# KiCad board EOutside.kicad_pcb (continued)
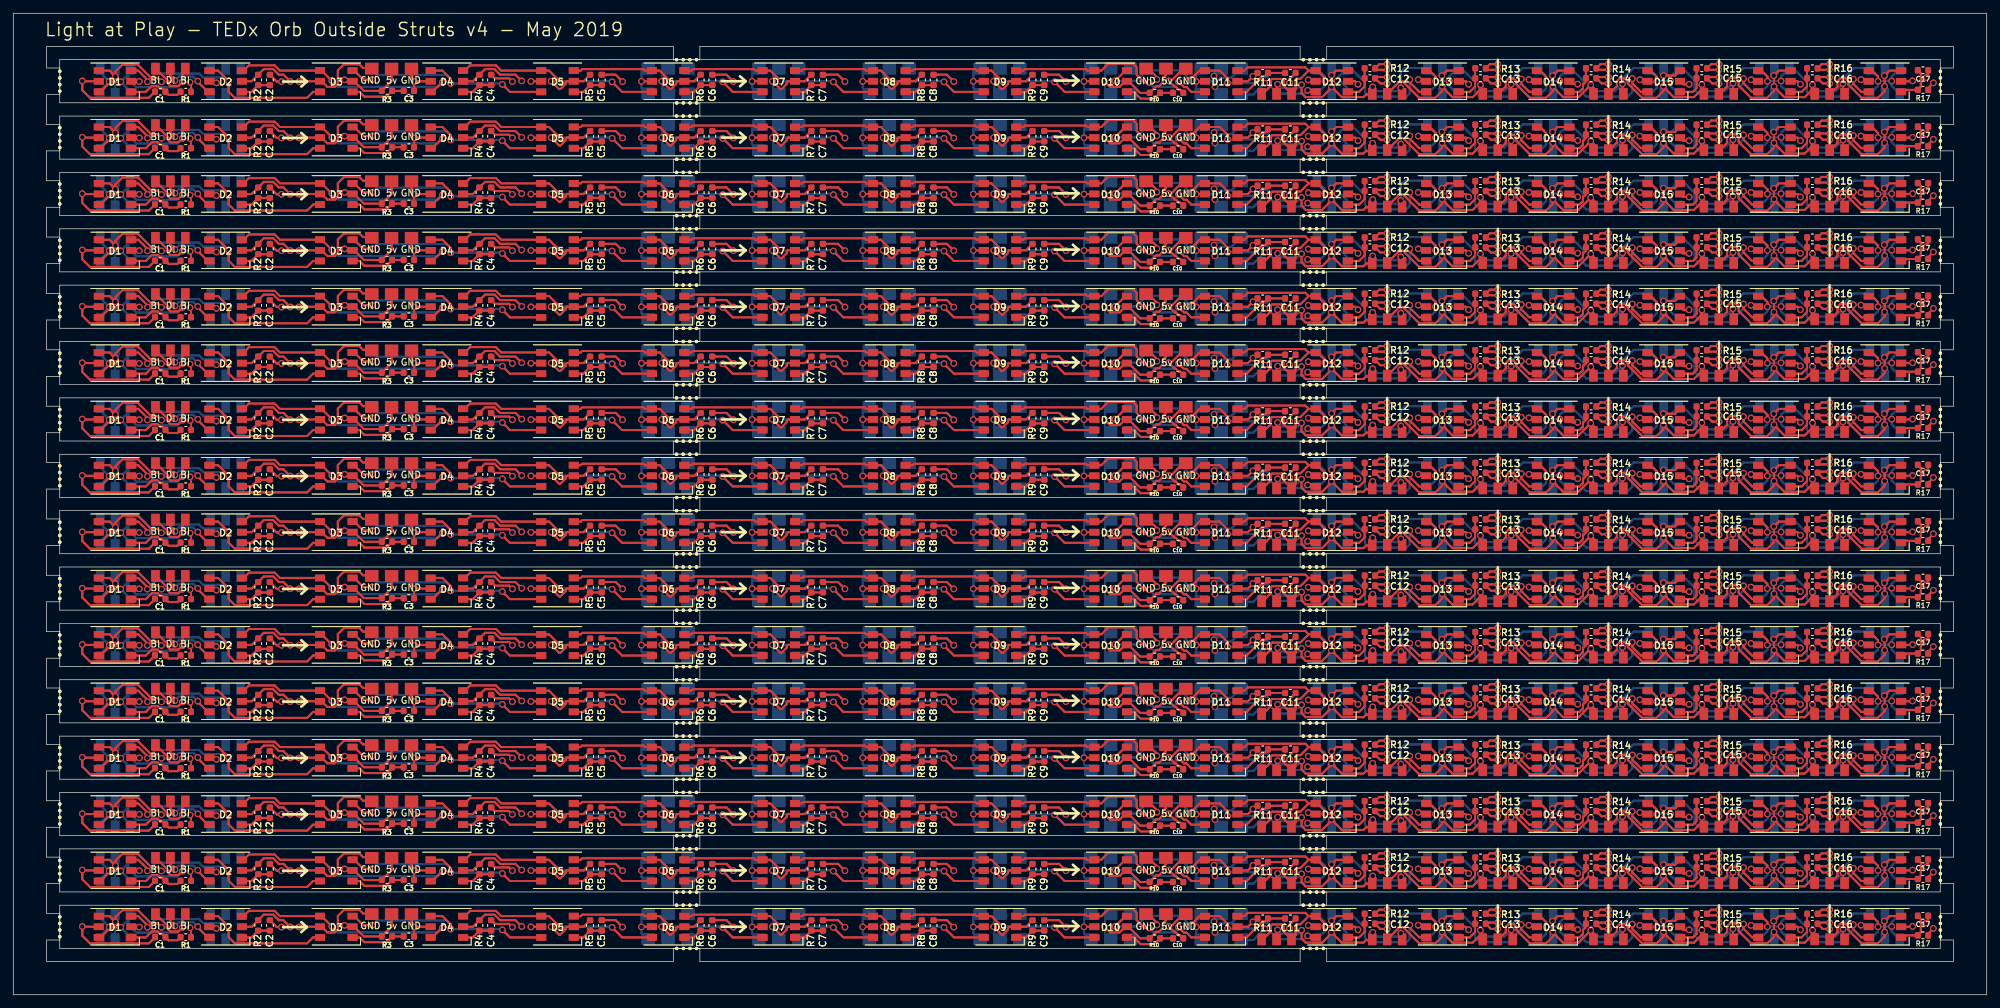
[diagram p0: board, top side]
## Routing (per net, layer and track width the routed paths; a pad name or vN(x,y) marks a point on that pad's centre or on a via; arc(x,y) is an arc through that point) (continued)
Net-(D11-Pad3): length 1831.5
  Top w0.3: 195.17,130.85 D12#2.4 ; 195.17,130.85 193.94,129.63 ; 195.17,130.85 194.67,131.35 ; 195.17,130.85 193.94,129.63 ; 195.17,130.85 D12#2.4 ; 195.17,130.85 194.67,131.35 ; D12#2.4 196.47,130.85 ; D12#2.4 196.47,130.85 ; 192.58,127.38 192.58,127.25 192.58,127.38 ; 192.58,127.38 193.2,127.99 ; 192.58,127.38 191.4,128.56 ; 192.58,127.38 193.2,127.99 ; 192.58,127.38 191.4,128.56 ; 193.94,129.63 193.36,129.63 ; 193.94,129.63 193.36,129.63 ; 193.36,129.63 193.2,129.46 ; 193.36,129.63 193.2,129.46 ; 193.2,127.99 193.2,129.46 ; 193.2,127.99 193.2,129.46 ; 196.47,130.85 197.62,129.7 ; 196.47,130.85 197.62,129.7 ; 197.62,129.7 v1(197.62,129.3) ; 197.62,129.7 v1(197.62,129.3) ; v1(197.62,129.3) 199.45,129.3 ; v1(197.62,129.3) 199.45,129.3 ; 188.17,127.25 188.08,127.25 188.17,127.25 ; 188.17,127.25 189.44,128.52 ; 188.17,127.25 189.44,128.52 ; 189.67,129.6 189.44,129.37 ; 189.67,129.6 191.13,129.6 ; 189.67,129.6 191.13,129.6 ; 189.67,129.6 189.44,129.37 ; 189.44,129.37 189.44,128.52 ; 189.44,129.37 189.44,128.52 ; 191.4,129.33 191.13,129.6 ; 191.4,129.33 191.4,128.56 ; 191.4,129.33 191.4,128.56 ; 191.4,129.33 191.13,129.6 ; 186,131.35 194.67,131.35 ; 186,131.35 185.5,130.85 ; 186,131.35 185.5,130.85 ; 186,131.35 194.67,131.35 ; 185.5,130.85 D11#2.3 185.5,130.85 ; 199.45,129.3 v1(199.45,129.3) 199.45,129.3 ; 210.4,129.08 v1(210.4,129.5) 210.4,129.08 ; 210.4,129.08 211.83,127.65 ; 210.4,129.08 211.83,127.65 ; 211.83,127.65 D13#2.6 211.83,127.65 ; 195.17,122.35 D12#3.4 ; 195.17,122.35 193.94,121.13 ; 195.17,122.35 194.67,122.85 ; 195.17,122.35 D12#3.4 ; 195.17,122.35 193.94,121.13 ; 195.17,122.35 194.67,122.85 ; D12#3.4 196.47,122.35 ; D12#3.4 196.47,122.35 ; 192.58,118.88 192.58,118.75 192.58,118.88 ; 192.58,118.88 193.2,119.49 ; 192.58,118.88 191.4,120.06 ; 192.58,118.88 193.2,119.49 ; 192.58,118.88 191.4,120.06 ; 193.94,121.13 193.36,121.13 ; 193.94,121.13 193.36,121.13 ; 193.36,121.13 193.2,120.96 ; 193.36,121.13 193.2,120.96 ; 193.2,119.49 193.2,120.96 ; 193.2,119.49 193.2,120.96 ; 196.47,122.35 197.62,121.2 ; 196.47,122.35 197.62,121.2 ; 197.62,121.2 v1(197.62,120.8) ; 197.62,121.2 v1(197.62,120.8) ; v1(197.62,120.8) 199.45,120.8 ; v1(197.62,120.8) 199.45,120.8 ; 188.17,118.75 188.08,118.75 188.17,118.75 ; 188.17,118.75 189.44,120.02 ; 188.17,118.75 189.44,120.02 ; 189.67,121.1 189.44,120.87 ; 189.67,121.1 191.13,121.1 ; 189.67,121.1 189.44,120.87 ; 189.67,121.1 191.13,121.1 ; 189.44,120.87 189.44,120.02 ; 189.44,120.87 189.44,120.02 ; 191.4,120.83 191.13,121.1 ; 191.4,120.83 191.4,120.06 ; 191.4,120.83 191.13,121.1 ; 191.4,120.83 191.4,120.06 ; 186,122.85 194.67,122.85 ; 186,122.85 185.5,122.35 ; 186,122.85 194.67,122.85 ; 186,122.85 185.5,122.35 ; 185.5,122.35 D11#3.3 185.5,122.35 ; 199.45,120.8 v1(199.45,120.8) 199.45,120.8 ; 210.4,120.58 v1(210.4,121) 210.4,120.58 ; 210.4,120.58 211.83,119.15 ; 210.4,120.58 211.83,119.15 ; 211.83,119.15 D13#3.6 211.83,119.15 ; 196.47,113.85 197.62,112.7 ; 196.47,113.85 D12#4.4 ; 196.47,113.85 D12#4.4 ; 196.47,113.85 197.62,112.7 ; 197.62,112.7 v1(197.62,112.3) ; 197.62,112.7 v1(197.62,112.3) ; 195.17,113.85 193.94,112.63 ; 195.17,113.85 D12#4.4 ; 195.17,113.85 194.67,114.35 ; 195.17,113.85 D12#4.4 ; 195.17,113.85 194.67,114.35 ; 195.17,113.85 193.94,112.63 ; 193.94,112.63 193.36,112.63 ; 193.94,112.63 193.36,112.63 ; 193.2,112.46 193.2,110.99 ; 193.2,112.46 193.36,112.63 ; 193.2,112.46 193.2,110.99 ; 193.2,112.46 193.36,112.63 ; 193.2,110.99 192.58,110.38 ; 193.2,110.99 192.58,110.38 ; 192.58,110.38 192.58,110.25 192.58,110.38 ; 192.58,110.38 191.4,111.56 ; 192.58,110.38 191.4,111.56 ; 185.5,113.85 D11#4.3 185.5,113.85 ; 185.5,113.85 186,114.35 ; 185.5,113.85 186,114.35 ; 186,114.35 194.67,114.35 ; 186,114.35 194.67,114.35 ; 191.13,112.6 189.67,112.6 ; 191.13,112.6 191.4,112.33 ; 191.13,112.6 189.67,112.6 ; 191.13,112.6 191.4,112.33 ; 189.67,112.6 189.44,112.37 ; 189.67,112.6 189.44,112.37 ; 189.44,111.52 188.17,110.25 ; 189.44,111.52 189.44,112.37 ; 189.44,111.52 188.17,110.25 ; 189.44,111.52 189.44,112.37 ; 188.17,110.25 188.08,110.25 188.17,110.25 ; 191.4,111.56 191.4,112.33 ; 191.4,111.56 191.4,112.33 ; v1(197.62,112.3) 199.45,112.3 ; v1(197.62,112.3) 199.45,112.3 ; 210.4,112.08 v1(210.4,112.5) 210.4,112.08 ; 210.4,112.08 211.83,110.65 ; 210.4,112.08 211.83,110.65 ; 199.45,112.3 v1(199.45,112.3) 199.45,112.3 ; 211.83,110.65 D13#4.6 211.83,110.65 ; 195.17,139.35 D12.4 ; 195.17,139.35 193.94,138.13 ; 195.17,139.35 194.67,139.85 ; 195.17,139.35 194.67,139.85 ; 195.17,139.35 D12.4 ; 195.17,139.35 193.94,138.13 ; D12.4 196.47,139.35 ; D12.4 196.47,139.35 ; 192.58,135.88 192.58,135.75 192.58,135.88 ; 192.58,135.88 193.2,136.49 ; 192.58,135.88 191.4,137.06 ; 192.58,135.88 193.2,136.49 ; 192.58,135.88 191.4,137.06 ; 193.94,138.13 193.36,138.13 ; 193.94,138.13 193.36,138.13 ; 193.36,138.13 193.2,137.96 ; 193.36,138.13 193.2,137.96 ; 193.2,136.49 193.2,137.96 ; 193.2,136.49 193.2,137.96 ; 196.47,139.35 197.62,138.2 ; 196.47,139.35 197.62,138.2 ; 197.62,138.2 v1(197.62,137.8) ; 197.62,138.2 v1(197.62,137.8) ; v1(197.62,137.8) 199.45,137.8 ; v1(197.62,137.8) 199.45,137.8 ; 188.17,135.75 188.08,135.75 188.17,135.75 ; 188.17,135.75 189.44,137.02 ; 188.17,135.75 189.44,137.02 ; 189.67,138.1 189.44,137.87 ; 189.67,138.1 191.13,138.1 ; 189.67,138.1 191.13,138.1 ; 189.67,138.1 189.44,137.87 ; 189.44,137.87 189.44,137.02 ; 189.44,137.87 189.44,137.02 ; 191.4,137.83 191.13,138.1 ; 191.4,137.83 191.4,137.06 ; 191.4,137.83 191.4,137.06 ; 191.4,137.83 191.13,138.1 ; 186,139.85 194.67,139.85 ; 186,139.85 185.5,139.35 ; 186,139.85 185.5,139.35 ; 186,139.85 194.67,139.85 ; 185.5,139.35 D11.3 185.5,139.35 ; 199.45,137.8 v1(199.45,137.8) 199.45,137.8 ; 210.4,137.58 v1(210.4,138) 210.4,137.58 ; 210.4,137.58 211.83,136.15 ; 210.4,137.58 211.83,136.15 ; 211.83,136.15 D13.6 211.83,136.15 ; 195.17,105.35 D12#11.4 ; 195.17,105.35 193.94,104.13 ; 195.17,105.35 194.67,105.85 ; 195.17,105.35 D12#11.4 ; 195.17,105.35 193.94,104.13 ; 195.17,105.35 194.67,105.85 ; D12#11.4 196.47,105.35 ; D12#11.4 196.47,105.35 ; 192.58,101.88 192.58,101.75 192.58,101.88 ; 192.58,101.88 193.2,102.49 ; 192.58,101.88 191.4,103.06 ; 192.58,101.88 193.2,102.49 ; 192.58,101.88 191.4,103.06 ; 193.94,104.13 193.36,104.13 ; 193.94,104.13 193.36,104.13 ; 193.36,104.13 193.2,103.96 ; 193.36,104.13 193.2,103.96 ; 193.2,102.49 193.2,103.96 ; 193.2,102.49 193.2,103.96 ; 196.47,105.35 197.62,104.2 ; 196.47,105.35 197.62,104.2 ; 197.62,104.2 v1(197.62,103.8) ; 197.62,104.2 v1(197.62,103.8) ; v1(197.62,103.8) 199.45,103.8 ; v1(197.62,103.8) 199.45,103.8 ; 188.17,101.75 188.08,101.75 188.17,101.75 ; 188.17,101.75 189.44,103.02 ; 188.17,101.75 189.44,103.02 ; 189.67,104.1 189.44,103.87 ; 189.67,104.1 191.13,104.1 ; 189.67,104.1 189.44,103.87 ; 189.67,104.1 191.13,104.1 ; 189.44,103.87 189.44,103.02 ; 189.44,103.87 189.44,103.02 ; 191.4,103.83 191.13,104.1 ; 191.4,103.83 191.4,103.06 ; 191.4,103.83 191.13,104.1 ; 191.4,103.83 191.4,103.06 ; 186,105.85 194.67,105.85 ; 186,105.85 185.5,105.35 ; 186,105.85 194.67,105.85 ; 186,105.85 185.5,105.35 ; 185.5,105.35 D11#11.3 185.5,105.35 ; 199.45,103.8 v1(199.45,103.8) 199.45,103.8 ; 210.4,103.58 v1(210.4,104) 210.4,103.58 ; 210.4,103.58 211.83,102.15 ; 210.4,103.58 211.83,102.15 ; 211.83,102.15 D13#11.6 211.83,102.15 ; 196.47,96.85 197.62,95.7 ; 196.47,96.85 D12#15.4 ; 196.47,96.85 D12#15.4 ; 196.47,96.85 197.62,95.7 ; 197.62,95.7 v1(197.62,95.3) ; 197.62,95.7 v1(197.62,95.3) ; 195.17,96.85 193.94,95.63 ; 195.17,96.85 D12#15.4 ; 195.17,96.85 194.67,97.35 ; 195.17,96.85 194.67,97.35 ; 195.17,96.85 193.94,95.63 ; 195.17,96.85 D12#15.4 ; 193.94,95.63 193.36,95.63 ; 193.94,95.63 193.36,95.63 ; 193.2,95.46 193.2,93.99 ; 193.2,95.46 193.36,95.63 ; 193.2,95.46 193.2,93.99 ; 193.2,95.46 193.36,95.63 ; 193.2,93.99 192.58,93.38 ; 193.2,93.99 192.58,93.38 ; 192.58,93.38 192.58,93.25 192.58,93.38 ; 192.58,93.38 191.4,94.56 ; 192.58,93.38 191.4,94.56 ; 185.5,96.85 D11#15.3 185.5,96.85 ; 185.5,96.85 186,97.35 ; 185.5,96.85 186,97.35 ; 186,97.35 194.67,97.35 ; 186,97.35 194.67,97.35 ; 191.13,95.6 189.67,95.6 ; 191.13,95.6 191.4,95.33 ; 191.13,95.6 189.67,95.6 ; 191.13,95.6 191.4,95.33 ; 189.67,95.6 189.44,95.37 ; 189.67,95.6 189.44,95.37 ; 189.44,94.52 188.17,93.25 ; 189.44,94.52 189.44,95.37 ; 189.44,94.52 188.17,93.25 ; 189.44,94.52 189.44,95.37 ; 188.17,93.25 188.08,93.25 188.17,93.25 ; 191.4,94.56 191.4,95.33 ; 191.4,94.56 191.4,95.33 ; v1(197.62,95.3) 199.45,95.3 ; v1(197.62,95.3) 199.45,95.3 ; 210.4,95.08 v1(210.4,95.5) 210.4,95.08 ; 210.4,95.08 211.83,93.65 ; 210.4,95.08 211.83,93.65 ; 199.45,95.3 v1(199.45,95.3) 199.45,95.3 ; 211.83,93.65 D13#14.6 211.83,93.65 ; 192.58,76.38 192.58,76.25 192.58,76.38 ; 192.58,76.38 191.4,77.56 ; 192.58,76.38 193.2,76.99 ; 192.58,76.38 193.2,76.99 ; 192.58,76.38 191.4,77.56 ; 195.17,79.85 D12#13.4 ; 195.17,79.85 194.67,80.35 ; 195.17,79.85 193.94,78.63 ; 195.17,79.85 193.94,78.63 ; 195.17,79.85 194.67,80.35 ; 195.17,79.85 D12#13.4 ; D12#13.4 196.47,79.85 ; D12#13.4 196.47,79.85 ; 185.5,79.85 D11#13.3 185.5,79.85 ; 185.5,79.85 186,80.35 ; 185.5,79.85 186,80.35 ; 186,80.35 194.67,80.35 ; 186,80.35 194.67,80.35 ; 191.13,78.6 189.67,78.6 ; 191.13,78.6 191.4,78.33 ; 191.13,78.6 189.67,78.6 ; 191.13,78.6 191.4,78.33 ; 189.67,78.6 189.44,78.37 ; 189.67,78.6 189.44,78.37 ; 189.44,77.52 188.17,76.25 ; 189.44,77.52 189.44,78.37 ; 189.44,77.52 188.17,76.25 ; 189.44,77.52 189.44,78.37 ; 188.17,76.25 188.08,76.25 188.17,76.25 ; 191.4,77.56 191.4,78.33 ; 191.4,77.56 191.4,78.33 ; 196.47,79.85 197.62,78.7 ; 196.47,79.85 197.62,78.7 ; 197.62,78.7 v1(197.62,78.3) ; 197.62,78.7 v1(197.62,78.3) ; v1(197.62,78.3) 199.45,78.3 ; v1(197.62,78.3) 199.45,78.3 ; 210.4,78.08 v1(210.4,78.5) 210.4,78.08 ; 210.4,78.08 211.83,76.65 ; 210.4,78.08 211.83,76.65 ; 199.45,78.3 v1(199.45,78.3) 199.45,78.3 ; 211.83,76.65 D13#9.6 211.83,76.65 ; 193.94,78.63 193.36,78.63 ; 193.94,78.63 193.36,78.63 ; 193.2,78.46 193.2,76.99 ; 193.2,78.46 193.36,78.63 ; 193.2,78.46 193.2,76.99 ; 193.2,78.46 193.36,78.63 ; 210.4,86.58 v1(210.4,87) 210.4,86.58 ; 210.4,86.58 211.83,85.15 ; 210.4,86.58 211.83,85.15 ; 211.83,85.15 D13#10.6 211.83,85.15 ; 195.17,88.35 D12#9.4 ; 195.17,88.35 193.94,87.13 ; 195.17,88.35 194.67,88.85 ; 195.17,88.35 D12#9.4 ; 195.17,88.35 193.94,87.13 ; 195.17,88.35 194.67,88.85 ; D12#9.4 196.47,88.35 ; D12#9.4 196.47,88.35 ; 192.58,84.88 192.58,84.75 192.58,84.88 ; 192.58,84.88 193.2,85.49 ; 192.58,84.88 191.4,86.06 ; 192.58,84.88 193.2,85.49 ; 192.58,84.88 191.4,86.06 ; 193.94,87.13 193.36,87.13 ; 193.94,87.13 193.36,87.13 ; 193.36,87.13 193.2,86.96 ; 193.36,87.13 193.2,86.96 ; 193.2,85.49 193.2,86.96 ; 193.2,85.49 193.2,86.96 ; 196.47,88.35 197.62,87.2 ; 196.47,88.35 197.62,87.2 ; 197.62,87.2 v1(197.62,86.8) ; 197.62,87.2 v1(197.62,86.8) ; v1(197.62,86.8) 199.45,86.8 ; v1(197.62,86.8) 199.45,86.8 ; 188.17,84.75 188.08,84.75 188.17,84.75 ; 188.17,84.75 189.44,86.02 ; 188.17,84.75 189.44,86.02 ; 189.67,87.1 189.44,86.87 ; 189.67,87.1 191.13,87.1 ; 189.67,87.1 189.44,86.87 ; 189.67,87.1 191.13,87.1 ; 189.44,86.87 189.44,86.02 ; 189.44,86.87 189.44,86.02 ; 191.4,86.83 191.13,87.1 ; 191.4,86.83 191.4,86.06 ; 191.4,86.83 191.13,87.1 ; 191.4,86.83 191.4,86.06 ; 186,88.85 194.67,88.85 ; 186,88.85 185.5,88.35 ; 186,88.85 194.67,88.85 ; 186,88.85 185.5,88.35 ; 185.5,88.35 D11#9.3 185.5,88.35 ; 199.45,86.8 v1(199.45,86.8) 199.45,86.8 ; 195.17,71.35 D12#17.4 ; 195.17,71.35 193.94,70.13 ; 195.17,71.35 194.67,71.85 ; 195.17,71.35 D12#17.4 ; 195.17,71.35 193.94,70.13 ; 195.17,71.35 194.67,71.85 ; D12#17.4 196.47,71.35 ; D12#17.4 196.47,71.35 ; 192.58,67.88 192.58,67.75 192.58,67.88 ; 192.58,67.88 193.2,68.49 ; 192.58,67.88 191.4,69.06 ; 192.58,67.88 193.2,68.49 ; 192.58,67.88 191.4,69.06 ; 193.94,70.13 193.36,70.13 ; 193.94,70.13 193.36,70.13 ; 193.36,70.13 193.2,69.96 ; 193.36,70.13 193.2,69.96 ; 193.2,68.49 193.2,69.96 ; 193.2,68.49 193.2,69.96 ; 196.47,71.35 197.62,70.2 ; 196.47,71.35 197.62,70.2 ; 197.62,70.2 v1(197.62,69.8) ; 197.62,70.2 v1(197.62,69.8) ; v1(197.62,69.8) 199.45,69.8 ; v1(197.62,69.8) 199.45,69.8 ; 188.17,67.75 188.08,67.75 188.17,67.75 ; 188.17,67.75 189.44,69.02 ; 188.17,67.75 189.44,69.02 ; 189.67,70.1 189.44,69.87 ; 189.67,70.1 191.13,70.1 ; 189.67,70.1 189.44,69.87 ; 189.67,70.1 191.13,70.1 ; 189.44,69.87 189.44,69.02 ; 189.44,69.87 189.44,69.02 ; 191.4,69.83 191.13,70.1 ; 191.4,69.83 191.4,69.06 ; 191.4,69.83 191.13,70.1 ; 191.4,69.83 191.4,69.06 ; 186,71.85 194.67,71.85 ; 186,71.85 185.5,71.35 ; 186,71.85 194.67,71.85 ; 186,71.85 185.5,71.35 ; 185.5,71.35 D11#17.3 185.5,71.35 ; 199.45,69.8 v1(199.45,69.8) 199.45,69.8 ; 210.4,69.58 v1(210.4,70) 210.4,69.58 ; 210.4,69.58 211.83,68.15 ; 210.4,69.58 211.83,68.15 ; 211.83,68.15 D13#23.6 211.83,68.15 ; 185.5,62.85 D11#19.3 185.5,62.85 ; 185.5,62.85 186,63.35 ; 185.5,62.85 186,63.35 ; 186,63.35 194.67,63.35 ; 186,63.35 194.67,63.35 ; 194.67,63.35 195.17,62.85 ; 194.67,63.35 195.17,62.85 ; 195.17,62.85 193.94,61.63 ; 195.17,62.85 D12#21.4 ; 195.17,62.85 193.94,61.63 ; 195.17,62.85 D12#21.4 ; 191.13,61.6 189.67,61.6 ; 191.13,61.6 191.4,61.33 ; 191.13,61.6 189.67,61.6 ; 191.13,61.6 191.4,61.33 ; 189.67,61.6 189.44,61.37 ; 189.67,61.6 189.44,61.37 ; 189.44,60.52 188.17,59.25 ; 189.44,60.52 189.44,61.37 ; 189.44,60.52 188.17,59.25 ; 189.44,60.52 189.44,61.37 ; 188.17,59.25 188.08,59.25 188.17,59.25 ; 192.58,59.38 191.4,60.56 ; 192.58,59.38 193.2,59.99 ; 192.58,59.38 192.58,59.25 192.58,59.38 ; 192.58,59.38 193.2,59.99 ; 192.58,59.38 191.4,60.56 ; 191.4,60.56 191.4,61.33 ; 191.4,60.56 191.4,61.33 ; D12#21.4 196.47,62.85 ; D12#21.4 196.47,62.85 ; 196.47,62.85 197.62,61.7 ; 196.47,62.85 197.62,61.7 ; 197.62,61.7 v1(197.62,61.3) ; 197.62,61.7 v1(197.62,61.3) ; v1(197.62,61.3) 199.45,61.3 ; v1(197.62,61.3) 199.45,61.3 ; 210.4,61.08 v1(210.4,61.5) 210.4,61.08 ; 210.4,61.08 211.83,59.65 ; 210.4,61.08 211.83,59.65 ; 199.45,61.3 v1(199.45,61.3) 199.45,61.3 ; 211.83,59.65 D13#21.6 211.83,59.65 ; 193.94,61.63 193.36,61.63 ; 193.94,61.63 193.36,61.63 ; 193.2,61.46 193.2,59.99 ; 193.2,61.46 193.36,61.63 ; 193.2,61.46 193.2,59.99 ; 193.2,61.46 193.36,61.63 ; 192.58,42.38 192.58,42.25 192.58,42.38 ; 192.58,42.38 191.4,43.56 ; 192.58,42.38 193.2,42.99 ; 192.58,42.38 193.2,42.99 ; 192.58,42.38 191.4,43.56 ; 195.17,45.85 D12#23.4 ; 195.17,45.85 194.67,46.35 ; 195.17,45.85 193.94,44.63 ; 195.17,45.85 193.94,44.63 ; 195.17,45.85 194.67,46.35 ; 195.17,45.85 D12#23.4 ; D12#23.4 196.47,45.85 ; D12#23.4 196.47,45.85 ; 185.5,45.85 D11#21.3 185.5,45.85 ; 185.5,45.85 186,46.35 ; 185.5,45.85 186,46.35 ; 186,46.35 194.67,46.35 ; 186,46.35 194.67,46.35 ; 191.13,44.6 189.67,44.6 ; 191.13,44.6 191.4,44.33 ; 191.13,44.6 189.67,44.6 ; 191.13,44.6 191.4,44.33 ; 189.67,44.6 189.44,44.37 ; 189.67,44.6 189.44,44.37 ; 189.44,43.52 188.17,42.25 ; 189.44,43.52 189.44,44.37 ; 189.44,43.52 188.17,42.25 ; 189.44,43.52 189.44,44.37 ; 188.17,42.25 188.08,42.25 188.17,42.25 ; 191.4,43.56 191.4,44.33 ; 191.4,43.56 191.4,44.33 ; 196.47,45.85 197.62,44.7 ; 196.47,45.85 197.62,44.7 ; 197.62,44.7 v1(197.62,44.3) ; 197.62,44.7 v1(197.62,44.3) ; v1(197.62,44.3) 199.45,44.3 ; v1(197.62,44.3) 199.45,44.3 ; 210.4,44.08 v1(210.4,44.5) 210.4,44.08 ; 210.4,44.08 211.83,42.65 ; 210.4,44.08 211.83,42.65 ; 199.45,44.3 v1(199.45,44.3) 199.45,44.3 ; 211.83,42.65 D13#18.6 211.83,42.65 ; 193.94,44.63 193.36,44.63 ; 193.94,44.63 193.36,44.63 ; 193.36,44.63 193.2,44.46 ; 193.36,44.63 193.2,44.46 ; 193.2,42.99 193.2,44.46 ; 193.2,42.99 193.2,44.46 ; 210.4,52.58 v1(210.4,53) 210.4,52.58 ; 210.4,52.58 211.83,51.15 ; 210.4,52.58 211.83,51.15 ; 211.83,51.15 D13#17.6 211.83,51.15 ; 195.17,54.35 D12#18.4 ; 195.17,54.35 193.94,53.13 ; 195.17,54.35 194.67,54.85 ; 195.17,54.35 D12#18.4 ; 195.17,54.35 193.94,53.13 ; 195.17,54.35 194.67,54.85 ; D12#18.4 196.47,54.35 ; D12#18.4 196.47,54.35 ; 192.58,50.88 192.58,50.75 192.58,50.88 ; 192.58,50.88 193.2,51.49 ; 192.58,50.88 191.4,52.06 ; 192.58,50.88 193.2,51.49 ; 192.58,50.88 191.4,52.06 ; 193.94,53.13 193.36,53.13 ; 193.94,53.13 193.36,53.13 ; 193.36,53.13 193.2,52.96 ; 193.36,53.13 193.2,52.96 ; 193.2,51.49 193.2,52.96 ; 193.2,51.49 193.2,52.96 ; 196.47,54.35 197.62,53.2 ; 196.47,54.35 197.62,53.2 ; 197.62,53.2 v1(197.62,52.8) ; 197.62,53.2 v1(197.62,52.8) ; v1(197.62,52.8) 199.45,52.8 ; v1(197.62,52.8) 199.45,52.8 ; 188.17,50.75 188.08,50.75 188.17,50.75 ; 188.17,50.75 189.44,52.02 ; 188.17,50.75 189.44,52.02 ; 189.67,53.1 189.44,52.87 ; 189.67,53.1 191.13,53.1 ; 189.67,53.1 189.44,52.87 ; 189.67,53.1 191.13,53.1 ; 189.44,52.87 189.44,52.02 ; 189.44,52.87 189.44,52.02 ; 191.4,52.83 191.13,53.1 ; 191.4,52.83 191.4,52.06 ; 191.4,52.83 191.13,53.1 ; 191.4,52.83 191.4,52.06 ; 186,54.85 194.67,54.85 ; 186,54.85 185.5,54.35 ; 186,54.85 194.67,54.85 ; 186,54.85 185.5,54.35 ; 185.5,54.35 D11#20.3 185.5,54.35 ; 199.45,52.8 v1(199.45,52.8) 199.45,52.8 ; 196.47,28.85 197.62,27.7 ; 196.47,28.85 D12#28.4 ; 196.47,28.85 197.62,27.7 ; 196.47,28.85 D12#28.4 ; 197.62,27.7 v1(197.62,27.3) ; 197.62,27.7 v1(197.62,27.3) ; 195.17,28.85 193.94,27.63 ; 195.17,28.85 D12#28.4 ; 195.17,28.85 194.67,29.35 ; 195.17,28.85 193.94,27.63 ; 195.17,28.85 D12#28.4 ; 195.17,28.85 194.67,29.35 ; 193.94,27.63 193.36,27.63 ; 193.94,27.63 193.36,27.63 ; 193.2,27.46 193.2,25.99 ; 193.2,27.46 193.36,27.63 ; 193.2,27.46 193.2,25.99 ; 193.2,27.46 193.36,27.63 ; 193.2,25.99 192.58,25.38 ; 193.2,25.99 192.58,25.38 ; 192.58,25.38 192.58,25.25 192.58,25.38 ; 192.58,25.38 191.4,26.56 ; 192.58,25.38 191.4,26.56 ; 185.5,28.85 D11#27.3 185.5,28.85 ; 185.5,28.85 186,29.35 ; 185.5,28.85 186,29.35 ; 186,29.35 194.67,29.35 ; 186,29.35 194.67,29.35 ; 191.13,27.6 189.67,27.6 ; 191.13,27.6 191.4,27.33 ; 191.13,27.6 189.67,27.6 ; 191.13,27.6 191.4,27.33 ; 189.67,27.6 189.44,27.37 ; 189.67,27.6 189.44,27.37 ; 189.44,26.52 188.17,25.25 ; 189.44,26.52 189.44,27.37 ; 189.44,26.52 188.17,25.25 ; 189.44,26.52 189.44,27.37 ; 188.17,25.25 188.08,25.25 188.17,25.25 ; 191.4,26.56 191.4,27.33 ; 191.4,26.56 191.4,27.33 ; v1(197.62,27.3) 199.45,27.3 ; v1(197.62,27.3) 199.45,27.3 ; 210.4,27.08 v1(210.4,27.5) 210.4,27.08 ; 210.4,27.08 211.83,25.65 ; 210.4,27.08 211.83,25.65 ; 199.45,27.3 v1(199.45,27.3) 199.45,27.3 ; 211.83,25.65 D13#25.6 211.83,25.65 ; 195.17,37.35 D12#27.4 ; 195.17,37.35 193.94,36.13 ; 195.17,37.35 194.67,37.85 ; 195.17,37.35 D12#27.4 ; 195.17,37.35 193.94,36.13 ; 195.17,37.35 194.67,37.85 ; D12#27.4 196.47,37.35 ; D12#27.4 196.47,37.35 ; 192.58,33.88 192.58,33.75 192.58,33.88 ; 192.58,33.88 193.2,34.49 ; 192.58,33.88 191.4,35.06 ; 192.58,33.88 193.2,34.49 ; 192.58,33.88 191.4,35.06 ; 193.94,36.13 193.36,36.13 ; 193.94,36.13 193.36,36.13 ; 193.36,36.13 193.2,35.96 ; 193.36,36.13 193.2,35.96 ; 193.2,34.49 193.2,35.96 ; 193.2,34.49 193.2,35.96 ; 196.47,37.35 197.62,36.2 ; 196.47,37.35 197.62,36.2 ; 197.62,36.2 v1(197.62,35.8) ; 197.62,36.2 v1(197.62,35.8) ; v1(197.62,35.8) 199.45,35.8 ; v1(197.62,35.8) 199.45,35.8 ; 188.17,33.75 188.08,33.75 188.17,33.75 ; 188.17,33.75 189.44,35.02 ; 188.17,33.75 189.44,35.02 ; 189.67,36.1 189.44,35.87 ; 189.67,36.1 191.13,36.1 ; 189.67,36.1 189.44,35.87 ; 189.67,36.1 191.13,36.1 ; 189.44,35.87 189.44,35.02 ; 189.44,35.87 189.44,35.02 ; 191.4,35.83 191.13,36.1 ; 191.4,35.83 191.4,35.06 ; 191.4,35.83 191.13,36.1 ; 191.4,35.83 191.4,35.06 ; 186,37.85 194.67,37.85 ; 186,37.85 185.5,37.35 ; 186,37.85 194.67,37.85 ; 186,37.85 185.5,37.35 ; 185.5,37.35 D11#25.3 185.5,37.35 ; 199.45,35.8 v1(199.45,35.8) 199.45,35.8 ; 210.4,35.58 v1(210.4,36) 210.4,35.58 ; 210.4,35.58 211.83,34.15 ; 210.4,35.58 211.83,34.15 ; 211.83,34.15 D13#30.6 211.83,34.15 ; 193.94,10.63 193.36,10.63 ; 193.94,10.63 195.17,11.85 ; 193.94,10.63 195.17,11.85 ; 193.94,10.63 193.36,10.63 ; 193.36,10.63 193.2,10.46 ; 193.36,10.63 193.2,10.46 ; 195.17,11.85 194.67,12.35 ; 195.17,11.85 D12#31.4 ; 195.17,11.85 D12#31.4 ; 195.17,11.85 194.67,12.35 ; 196.47,11.85 197.62,10.7 ; 196.47,11.85 197.62,10.7 ; 196.47,11.85 D12#31.4 ; 196.47,11.85 D12#31.4 ; 197.62,10.7 v1(197.62,10.3) ; 197.62,10.7 v1(197.62,10.3) ; 193.2,8.99 192.58,8.38 ; 193.2,8.99 193.2,10.46 ; 193.2,8.99 193.2,10.46 ; 193.2,8.99 192.58,8.38 ; 192.58,8.38 191.4,9.56 ; 192.58,8.38 192.58,8.25 192.58,8.38 ; 192.58,8.38 191.4,9.56 ; 210.4,18.58 v1(210.4,19) 210.4,18.58 ; 210.4,18.58 211.83,17.15 ; 210.4,18.58 211.83,17.15 ; 211.83,17.15 D13#26.6 211.83,17.15 ; 195.17,20.35 D12#25.4 ; 195.17,20.35 193.94,19.13 ; 195.17,20.35 194.67,20.85 ; 195.17,20.35 D12#25.4 ; 195.17,20.35 193.94,19.13 ; 195.17,20.35 194.67,20.85 ; D12#25.4 196.47,20.35 ; D12#25.4 196.47,20.35 ; 192.58,16.88 192.58,16.75 192.58,16.88 ; 192.58,16.88 193.2,17.49 ; 192.58,16.88 191.4,18.06 ; 192.58,16.88 193.2,17.49 ; 192.58,16.88 191.4,18.06 ; 193.94,19.13 193.36,19.13 ; 193.94,19.13 193.36,19.13 ; 193.36,19.13 193.2,18.96 ; 193.36,19.13 193.2,18.96 ; 193.2,17.49 193.2,18.96 ; 193.2,17.49 193.2,18.96 ; 196.47,20.35 197.62,19.2 ; 196.47,20.35 197.62,19.2 ; 197.62,19.2 v1(197.62,18.8) ; 197.62,19.2 v1(197.62,18.8) ; v1(197.62,18.8) 199.45,18.8 ; v1(197.62,18.8) 199.45,18.8 ; 188.17,16.75 188.08,16.75 188.17,16.75 ; 188.17,16.75 189.44,18.02 ; 188.17,16.75 189.44,18.02 ; 189.67,19.1 189.44,18.87 ; 189.67,19.1 191.13,19.1 ; 189.67,19.1 189.44,18.87 ; 189.67,19.1 191.13,19.1 ; 189.44,18.87 189.44,18.02 ; 189.44,18.87 189.44,18.02 ; 191.4,18.83 191.13,19.1 ; 191.4,18.83 191.4,18.06 ; 191.4,18.83 191.13,19.1 ; 191.4,18.83 191.4,18.06 ; 186,20.85 194.67,20.85 ; 186,20.85 185.5,20.35 ; 186,20.85 194.67,20.85 ; 186,20.85 185.5,20.35 ; 185.5,20.35 D11#28.3 185.5,20.35 ; 199.45,18.8 v1(199.45,18.8) 199.45,18.8 ; 194.67,12.35 186,12.35 ; 194.67,12.35 186,12.35 ; 186,12.35 185.5,11.85 ; 186,12.35 185.5,11.85 ; 191.13,10.6 189.67,10.6 ; 191.13,10.6 191.4,10.33 ; 191.13,10.6 189.67,10.6 ; 191.13,10.6 191.4,10.33 ; 189.67,10.6 189.44,10.37 ; 189.67,10.6 189.44,10.37 ; 189.44,9.52 188.17,8.25 ; 189.44,9.52 189.44,10.37 ; 189.44,9.52 188.17,8.25 ; 189.44,9.52 189.44,10.37 ; 188.17,8.25 188.08,8.25 188.17,8.25 ; 191.4,9.56 191.4,10.33 ; 191.4,9.56 191.4,10.33 ; v1(197.62,10.3) 199.45,10.3 ; v1(197.62,10.3) 199.45,10.3 ; 210.4,10.08 v1(210.4,10.5) 210.4,10.08 ; 210.4,10.08 211.83,8.65 ; 210.4,10.08 211.83,8.65 ; 199.45,10.3 v1(199.45,10.3) 199.45,10.3 ; 211.83,8.65 D13#28.6 211.83,8.65 ; 185.5,11.85 D11#29.3 185.5,11.85